# Allegro board trx_layout.brd
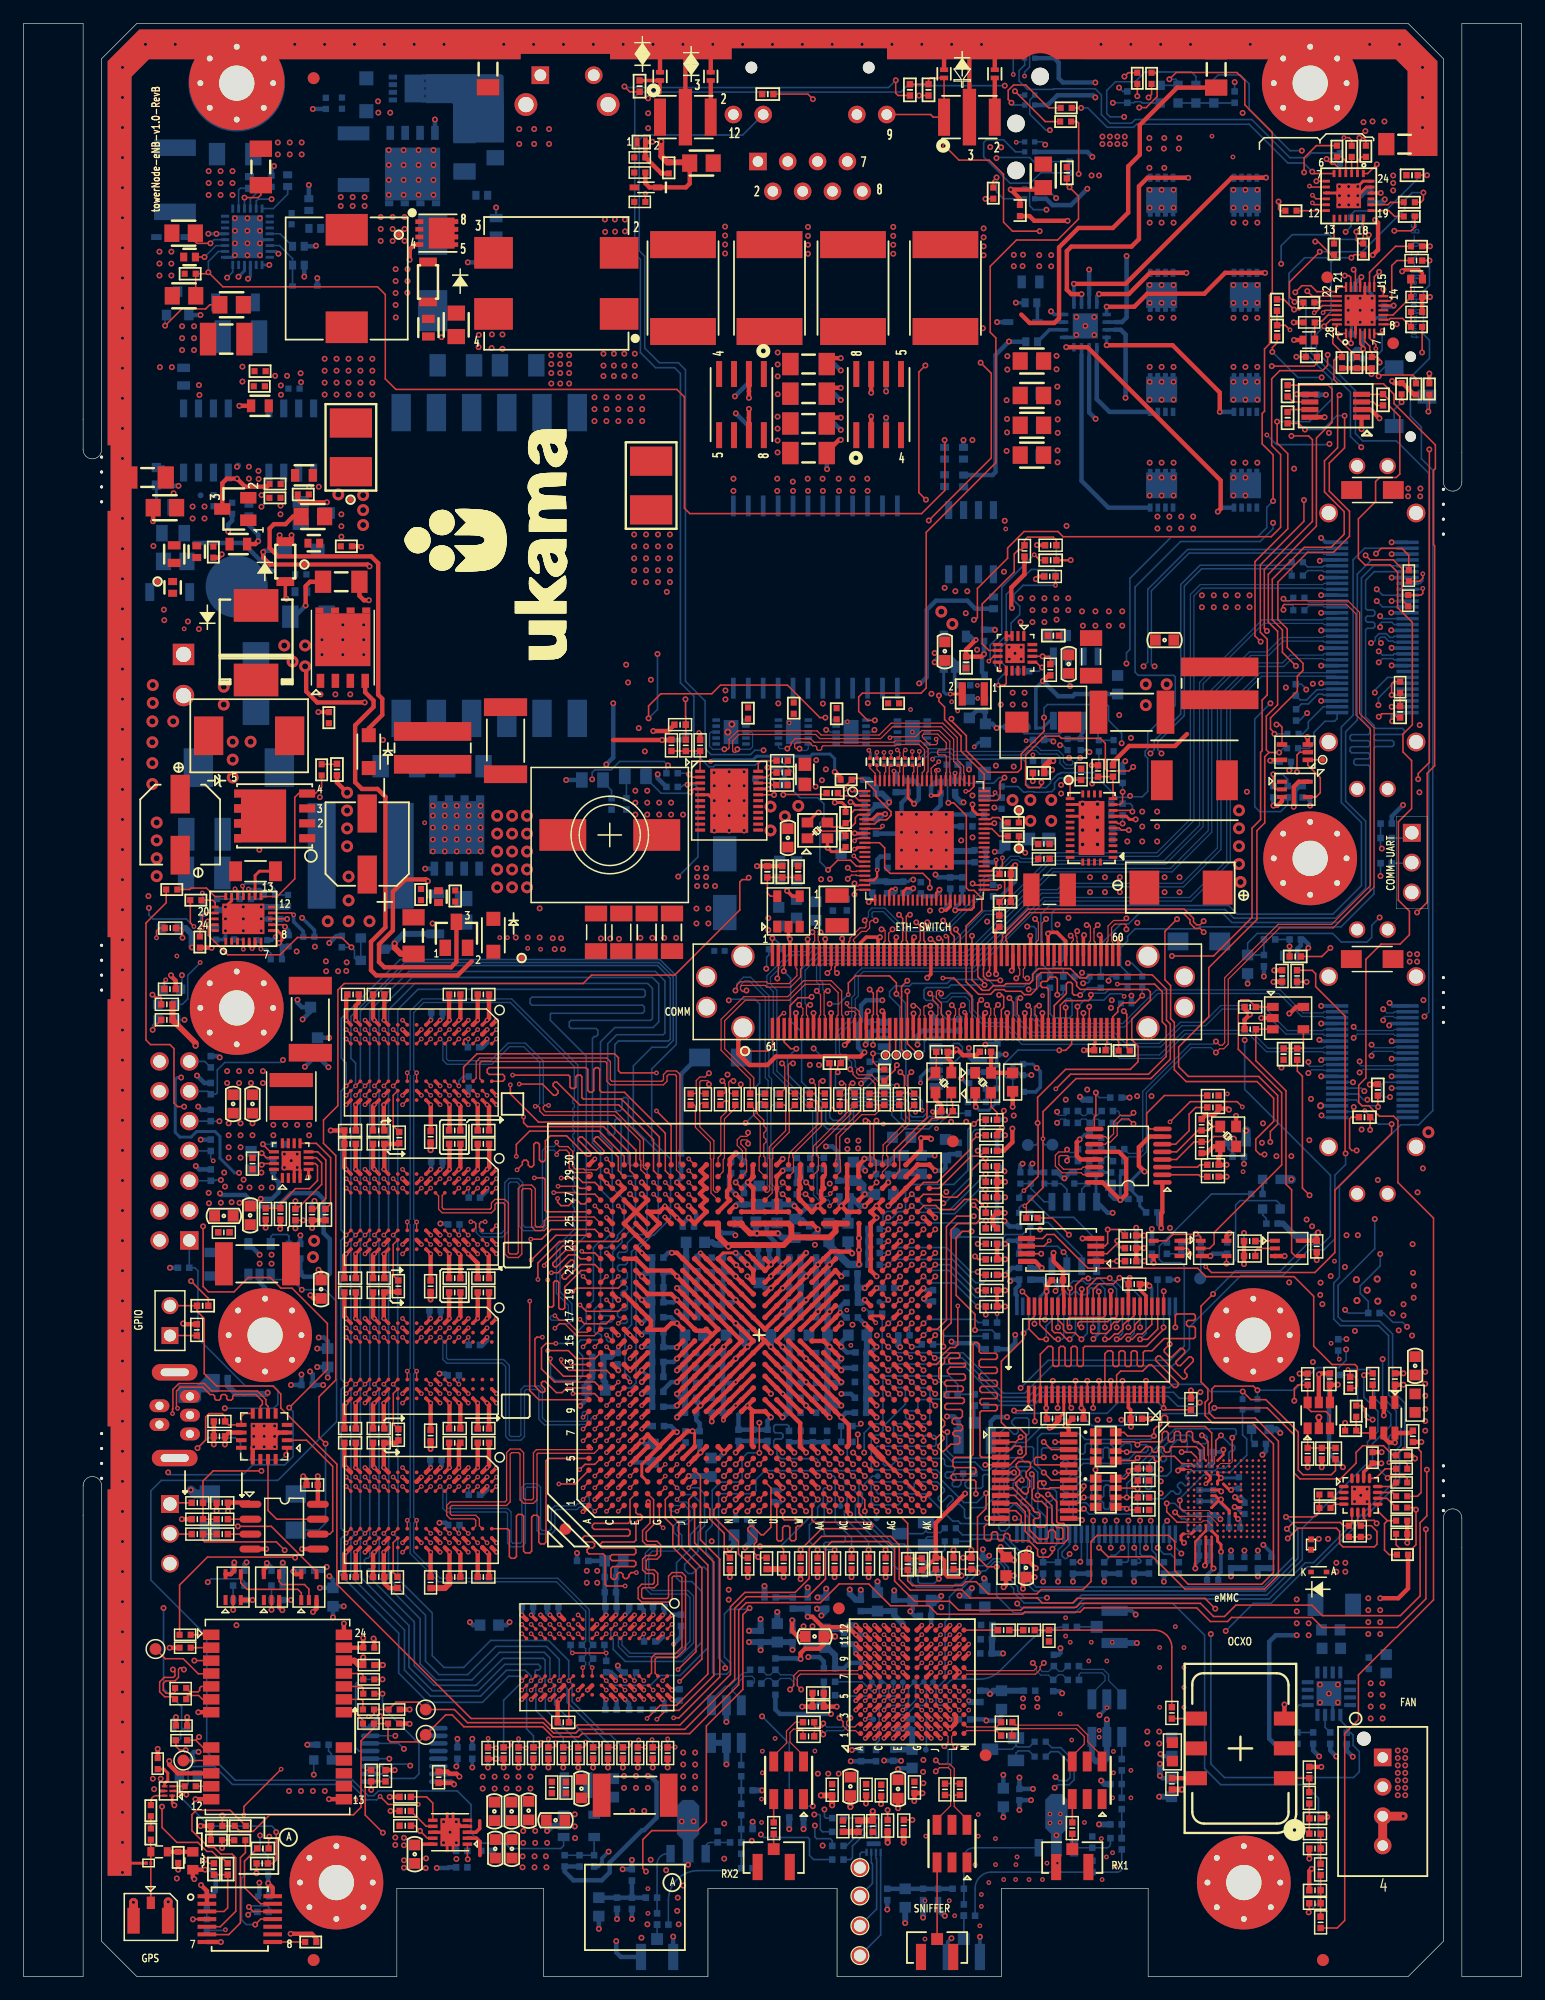
[diagram p0: board, top side]
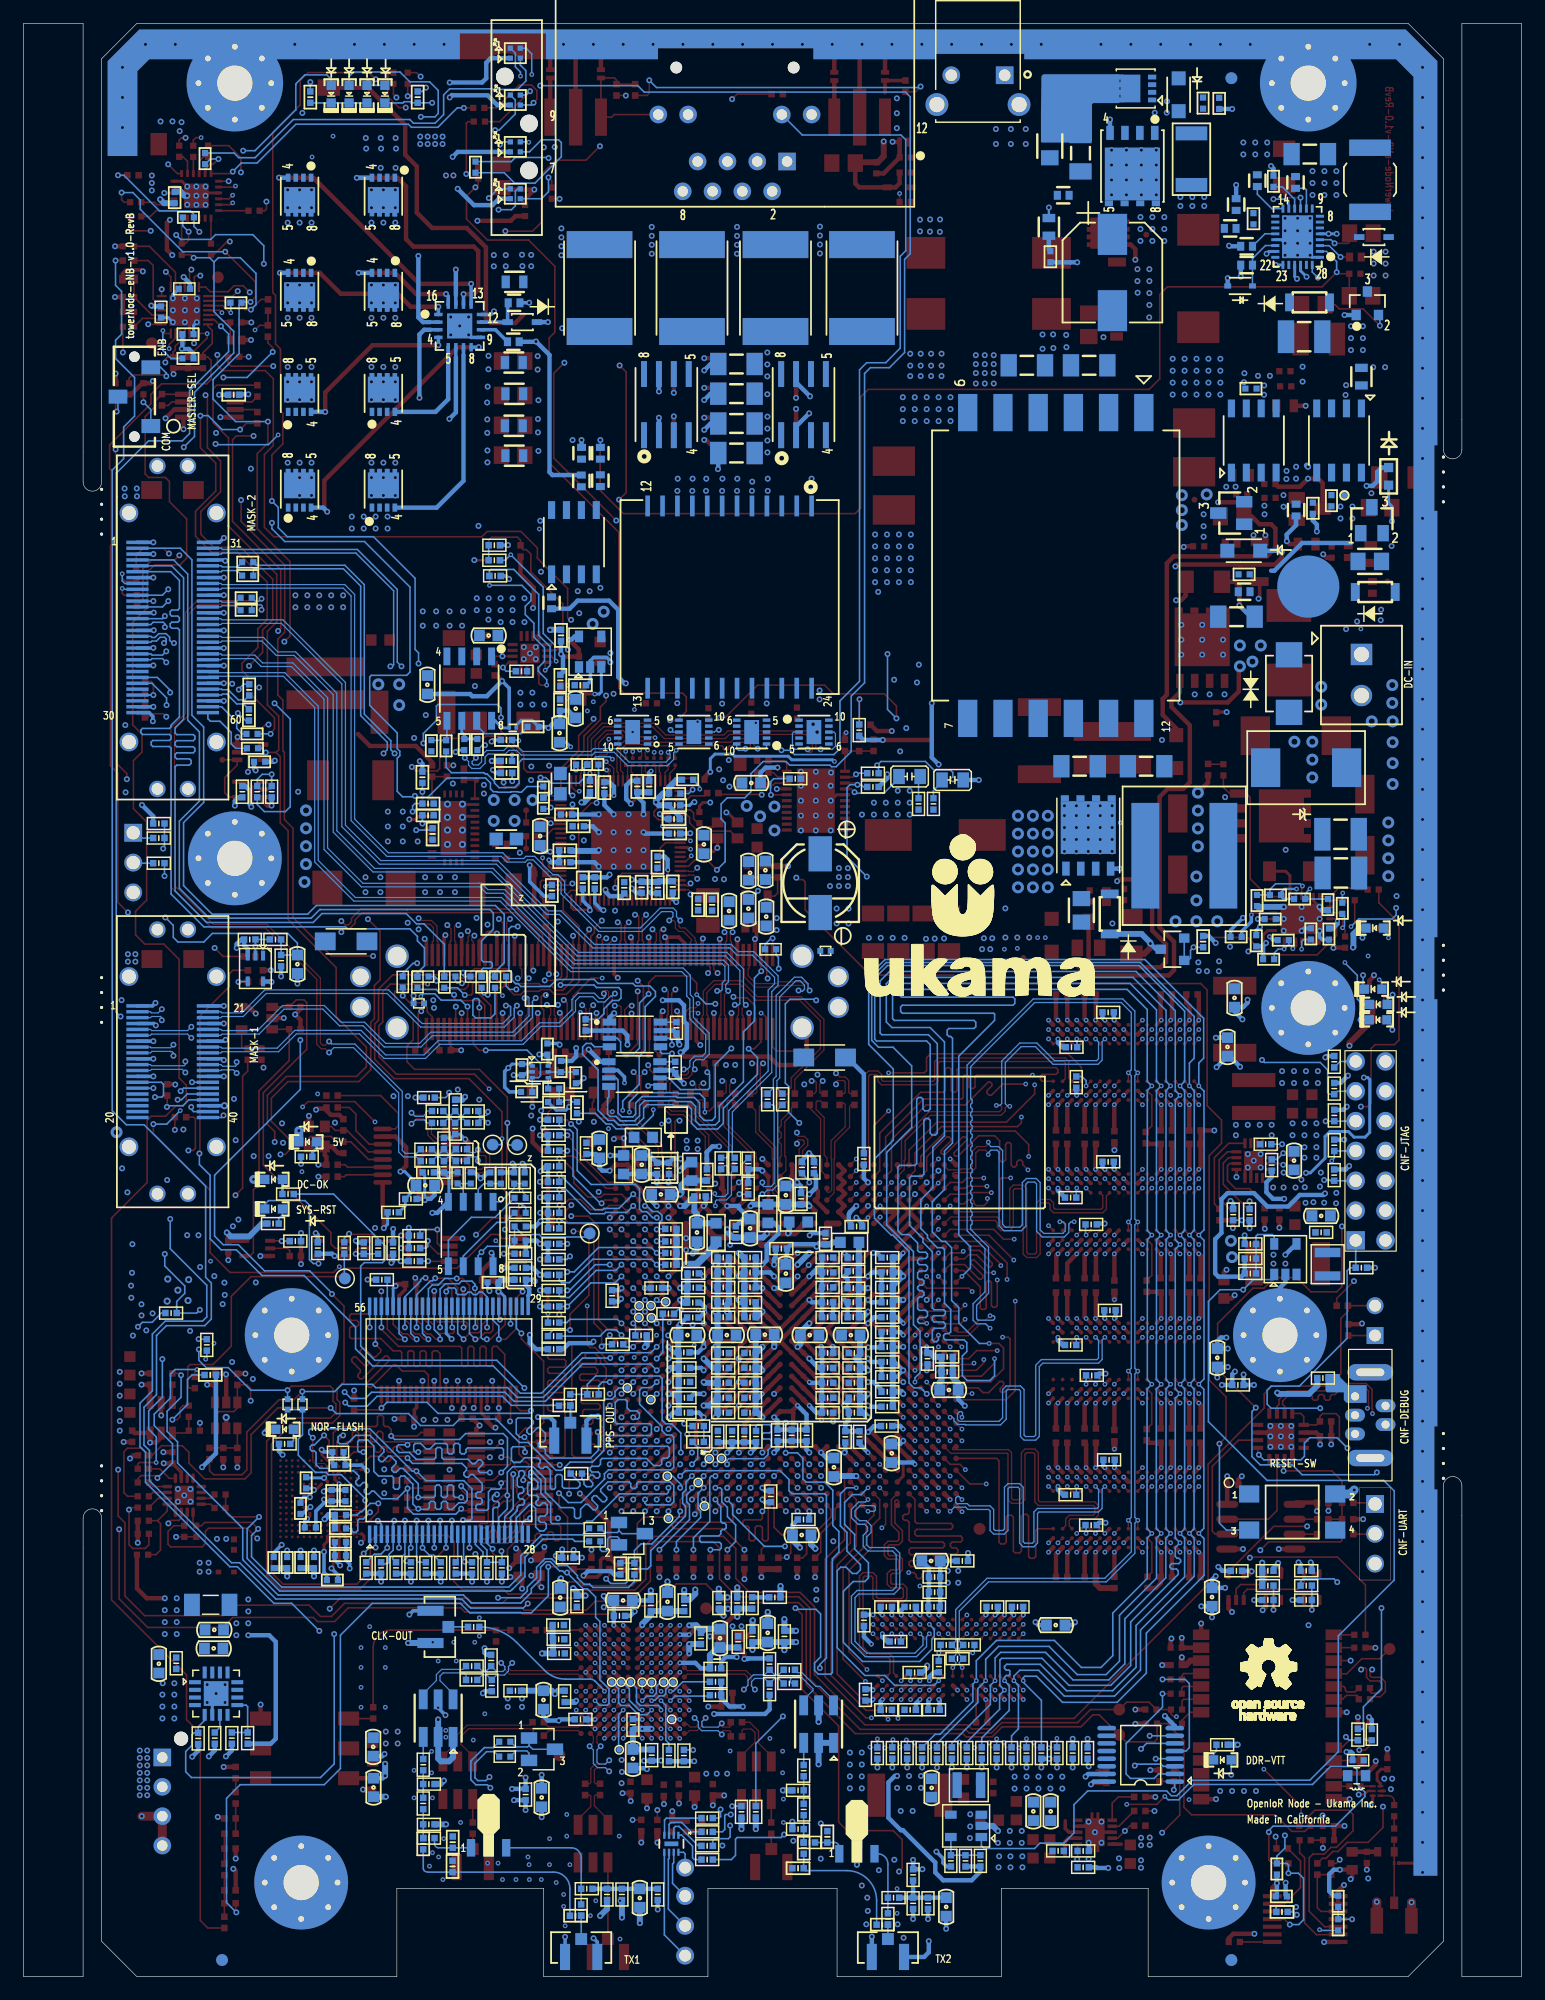
[diagram p1: board, bottom side, seen from below]

Outline 127.61 x 166.29 mm; copper layers: TOP, L2-GND1, L3-SIGNAL, L4-PWR1, L5-PWR2, L6-SIGNAL, L7-GND2, BOTTOM. Coordinates in mm from the lower left corner of the outline.
Outline path: 0,166.29 0,0 5.08,0 5.08,41.78 arc(5.87,42.57) 6.65,41.78 6.65,3 9.65,0 31.8,0 31.8,7.5 44.3,7.5 44.3,0 58.3,0 58.3,7.5 69.3,7.5 69.3,0 83.3,0 83.3,7.5 95.8,7.5 95.8,0 117.95,0 120.95,3 120.95,39.03 arc(121.74,39.82) 122.53,39.03 122.53,0 127.61,0 127.61,166.29 122.53,166.29 122.53,127.26 arc(121.74,126.47) 120.95,127.26 120.95,163.29 117.95,166.29 9.65,166.29 6.65,163.29 6.65,130.01 arc(5.87,129.22) 5.08,130.01 5.08,166.29 0,166.29

## Design rules (mm)
constraint set DEFAULT: min track width 0.137, pair gap 0.102
net group 7130_BOOT_CE5: nets 7130_BOOT_CE5 N42046315
net group 7130_USB: nets 7130_USB_DN0 7130_USB_DP0
net group -7130_QLM0_REFCLK: nets 7130_QLM0_REFCLKN 7130_QLM0_REFCLKP
net group -7130_QLM0_RX0: nets 7130_QLM0_RXN0 7130_QLM0_RXP0
net group -7130_QLM0_RX1: nets 7130_QLM0_RXN1 7130_QLM0_RXP1
net group -7130_QLM0_TX0: nets 7130_QLM0_TXN0 7130_QLM0_TXP0
net group -7130_QLM0_TX1: nets 7130_QLM0_TXN1 7130_QLM0_TXP1
net group -7130_QLM1_RX0: nets 7130_QLM1_RXN0 7130_QLM1_RXP0
net group -7130_QLM1_RX1: nets 7130_QLM1_RXN1 7130_QLM1_RXP1
net group -7130_QLM1_TX0: nets 7130_QLM1_TXN0 7130_QLM1_TXP0
net group -7130_QLM1_TX1: nets 7130_QLM1_TXN1 7130_QLM1_TXP1
net group -HDMI_CLK_D: nets HDMI_CLK_DN HDMI_CLK_DP
net group -HDMI_DATA0_D: nets HDMI_DATA0_DN HDMI_DATA0_DP
net group -HDMI_DATA1_D: nets HDMI_DATA1_DN HDMI_DATA1_DP
net group -HDMI_DATA2_D: nets HDMI_DATA2_DN HDMI_DATA2_DP
net group -PCIE0_CLK: nets PCIE0_CLKN PCIE0_CLKP
net group -PCIE0_RX: nets PCIE0_RXN PCIE0_RXP
net group -PCIE0_TX: nets PCIE0_TXN PCIE0_TXP
net group -PCIE2_CLK: nets PCIE2_CLKN PCIE2_CLKP
net group -PCIE2_RX: nets PCIE2_RXN PCIE2_RXP
net group -PCIE2_TX: nets PCIE2_TXN PCIE2_TXP
net group -PCIE_REFCLK: nets PCIE_REFCLKN PCIE_REFCLKP
net group -SATA_RX0: nets SATA_RXN0 SATA_RXP0
net group -SATA_RX1: nets SATA_RXN1 SATA_RXP1
net group -SATA_TX0: nets SATA_TXN0 SATA_TXP0
net group -SATA_TX1: nets SATA_TXN1 SATA_TXP1
net group -USB3_RX0_: nets USB3_RX0_N USB3_RX0_P
net group -USB3_TX0_: nets USB3_TX0_N USB3_TX0_P
net group -USB_D0: nets USB_DN0 USB_DP0
net group -USB_D1: nets USB_DN1 USB_DP1
net group -USB_D2: nets USB_DN2 USB_DP2
net group DEBUG_USBDPDM: nets DEBUG_USBDM DEBUG_USBDP
net group DIFFPAIR0: nets N17127662 N17127699
net group DIFFPAIR1: nets N28293840 N28293868
net group DIFFPAIR2: nets N28292228 N28292264
net group DIFFPAIR3: nets N28292242 N28292278
net group DIFFPAIR4: nets N28292234 N28292240
net group DIFFPAIR5: nets N21225912 N21225914
net group DIFFPAIR6: nets N42578999 N42579001
net group DP1: nets N17127277 N17127320
net group DP2: nets N43380700 N43380823
net group DP3: nets N43380720 N43380722
net group DP4: nets N43380724 N43380726
net group DP5: nets N43380728 N43380730
net group MASK_PCIE_RXP2: nets MASK_PCIE_RXN MASK_PCIE_RXP
net group MASK_PCIE_TXN1: nets MASK_PCIE_TXN MASK_PCIE_TXP
net group PA_ETH_D2: nets PA_ETH_D2N PA_ETH_D2P
net group PCIE_1: nets N38345795 N38345832
net group PCIE_2: nets N38345660 N38345697
net group PCIE_3: nets N38791044 N38791056
net group PCIE_4: nets N42694907 N42694909
net group RX_RF_1: nets N40392181 N40392244
net group RX_RF_2: nets N40391553 N40391568
net group RX_RF_3: nets N377425 N377631
net group RX_RF_4: nets N497620 N497678
net group RX_RF_5: nets N377823 N377835
net group RX_RF_6: nets N506018 N506026
net group SOC_ETH_MDI0: nets SOC_ETH_MDI0N SOC_ETH_MDI0P
net group SOC_ETH_MDI1: nets SOC_ETH_MDI1N SOC_ETH_MDI1P
net group SOC_ETH_MDI2: nets SOC_ETH_MDI2N SOC_ETH_MDI2P
net group SOC_ETH_MDI3: nets SOC_ETH_MDI3N SOC_ETH_MDI3P
net group TEMP_SENSE_1: nets UNNAMED_101_NPN_I19_B UNNAMED_101_NPN_I19_E
net group TX_RF_1: nets N377445 N377469
net group TX_RF_2: nets N538044 N538079
net group TX_RF_3: nets N377045 N377347
net group TX_RF_4: nets N541425 N541429
net group USB_D: nets 7130_USB_DN1 7130_USB_DP1
net group USB_J13: nets N43028949 N43028955
net group 7130_GPIO8: nets 7130_GPIO8 N42252550 SYS_RST_L
net group DDR3-(CB0-CB7): nets 7130_DDR3_CB0 7130_DDR3_CB1 7130_DDR3_CB2 7130_DDR3_CB3 7130_DDR3_CB4 7130_DDR3_CB5 7130_DDR3_CB6 7130_DDR3_CB7
net group DDR3-(DQ0-DQ7): nets 7130_DDR3_DQ0 7130_DDR3_DQ1 7130_DDR3_DQ2 7130_DDR3_DQ3 7130_DDR3_DQ4 7130_DDR3_DQ5 7130_DDR3_DQ6 7130_DDR3_DQ7
net group DDR3-(DQ8-DQ15): nets 7130_DDR3_DQ8 7130_DDR3_DQ9 7130_DDR3_DQ10 7130_DDR3_DQ11 7130_DDR3_DQ12 7130_DDR3_DQ13 7130_DDR3_DQ14 7130_DDR3_DQ15
net group DDR3-(DQ16-DQ23): nets 7130_DDR3_DQ16 7130_DDR3_DQ17 7130_DDR3_DQ18 7130_DDR3_DQ19 7130_DDR3_DQ20 7130_DDR3_DQ21 7130_DDR3_DQ22 7130_DDR3_DQ23
net group DDR3-(DQ24-DQ31): nets 7130_DDR3_DQ24 7130_DDR3_DQ25 7130_DDR3_DQ26 7130_DDR3_DQ27 7130_DDR3_DQ28 7130_DDR3_DQ29 7130_DDR3_DQ30 7130_DDR3_DQ31
net group DDR3-(DQ32-DQ39): nets 7130_DDR3_DQ32 7130_DDR3_DQ33 7130_DDR3_DQ34 7130_DDR3_DQ35 7130_DDR3_DQ36 7130_DDR3_DQ37 7130_DDR3_DQ38 7130_DDR3_DQ39
net group DDR3-(DQ40-DQ47): nets 7130_DDR3_DQ40 7130_DDR3_DQ41 7130_DDR3_DQ42 7130_DDR3_DQ43 7130_DDR3_DQ44 7130_DDR3_DQ45 7130_DDR3_DQ46 7130_DDR3_DQ47
net group DDR3-(DQ48-DQ55): nets 7130_DDR3_DQ48 7130_DDR3_DQ49 7130_DDR3_DQ50 7130_DDR3_DQ51 7130_DDR3_DQ52 7130_DDR3_DQ53 7130_DDR3_DQ54 7130_DDR3_DQ55
net group DDR3-(DQ56-DQ63): nets 7130_DDR3_DQ56 7130_DDR3_DQ57 7130_DDR3_DQ58 7130_DDR3_DQ59 7130_DDR3_DQ60 7130_DDR3_DQ61 7130_DDR3_DQ62 7130_DDR3_DQ63
net group DDR DIFF: nets 7130_DDR3_CBS0N 7130_DDR3_CBS0P 7130_DDR3_CLK0N 7130_DDR3_CLK0P 7130_DDR3_DQS0N 7130_DDR3_DQS0P 7130_DDR3_DQS1N 7130_DDR3_DQS1P 7130_DDR3_DQS2N 7130_DDR3_DQS2P 7130_DDR3_DQS3N 7130_DDR3_DQS3P 7130_DDR3_DQS4N 7130_DDR3_DQS4P 7130_DDR3_DQS5N 7130_DDR3_DQS5P 7130_DDR3_DQS6N 7130_DDR3_DQS6P 7130_DDR3_DQS7N 7130_DDR3_DQS7P
net group DEFAULT: nets 1PPS_OUT 1V35_PG 3V3_PG 5V_PG 7130_BOOT_AD8 7130_BOOT_AD13 7130_BOOT_ALE 7130_BOOT_CE0 7130_BOOT_CE1 7130_BOOT_OE 7130_BOOT_WAIT 7130_BOOT_WE 7130_CE 7130_DSP_JTAG_TCK 7130_DSP_JTAG_TDI 7130_DSP_JTAG_TDO 7130_DSP_JTAG_TMS 7130_DSP_JTAG_TRST 7130_EJTAG_TDO 7130_EJTAG_TRST_L 7130_GPIO0 7130_GPIO10_3V3 7130_GPIO13_3V3 7130_GPIO14_3V3 7130_HOT 7130_I2C0_EEPROM_WP 7130_I2C1_EEPROM_WP 7130_JTAG_TCK 7130_JTAG_TDI 7130_JTAG_TMS 7130_LATCH_A28 7130_LATCH_A29 7130_LATCH_A30 7130_LATCH_A31 7130_MDC1 7130_MDIO1 7130_MISO 7130_MOSI 7130_MSC_CLKOUT_EN 7130_PCIE_BOOT 7130_PCIE_MODE 7130_PCIE_RST 7130_PHY_PWM 7130_PLL_MUL0 7130_PLL_MUL1 7130_PLL_MUL2 7130_PLL_MUL3 7130_PLL_MUL4 7130_PLL_REFCLK50 7130_RESET_SW_L 7130_RF_RESET 7130_RF_TXNRX 7130_RX0 7130_RX1 7130_SCL0 7130_SCL1 7130_SCLK 7130_SDA0 7130_SDA1 7130_SYS_PLL_MUL0 7130_SYS_PLL_MUL1 7130_SYS_PLL_MUL2 7130_SYS_PLL_MUL3 7130_SYS_PLL_MUL4 7130_TX0 7130_TX1 7130_TXCO_PWM 7130_VDD_PG AD936X_1V3_PG AD936X_CLKOUT AD936X_RESET_L AD936X_SYNCIN ALLPOWER_PG BUTTON_RESET_IN BUTTON_RESET_OUT CALL_LED CONFIG_RST_SW CRITICAL_TEMP_ALERT DC_OK ETH_SW_LED0 ETH_SYNCE FPGA_CFG_INIT_B_R GPIO11 GPS_MODULE_RESET GPS_TIMEPULSE HDMI_SMB_SOC_CLK HDMI_SMB_SOC_DAT LNA_RF_OUT MASK_SPI_CLK MASK_SPI_CS MASK_SPI_MISO MASK_SPI_MOSI MASK_UART_RX1 MASK_UART_TX1 MB_3V3_GPIO5 MB_3V3_GPIO6 MB_3V3_GPIO7 MB_3V3_GPIO8 MB_POWER_OK MMC_ISOLATE# MODULE_SAFEBOOT_N MODULE_UART_RX MODULE_UART_TX MPG N377587 N377739 N377759 N377819 N378105 N378375 N378383 N378391 N378587 N378731 N378743 N379365 N379519 N379621 N436822 N440605 N440917 N441229 N450143 N450443 N450447 N635710 N685064 N685410 N16912256 N16949910 N16950256 N16950409 N16950424 N16950483 N16950542 N16958600 N17127103 N17247286 N17247308 N17264878 N17264907 N17308586 N17347925 N17347927 N17352153 N17383137 N17412446 N17420989 N17491181 N17613979 N18012236 N18015217 N18663045 N18984920 N19428436 N19433326 N19802595 N19816570 N19921421 N20950733 N20950750 N20950752 N20950802 N20950826 N21294021 N21294187 N21294710 N21414742 N21414746 N21414756 N21414762 N21445296 N21445300 N22620877 N22623748 N22624855 N22625970 N22627093 N22643259 N22645297 N22648611 N22651614 N22654933 N22658266 N22662338 N22664619 N22669063 N22670170 N22844512 N26040487 N26040723 N27121622 N27122589 N27122595 N27144602 N27144606 N27144621 N27144635 N27144645 N27144685 N27144921 N27144925 N27144937 N27144954 N27144964 N27144986 N27169203 N27169238 N27169273 N27169308 N27171135 N27171149 N27171650 N27171802 N27174773 N27178741 N27215911 N27215928 N27216005 N27216243 N27216779 N27430859 N27682040 N27872645 N28291570 N28291594 N28292560 N28294373 N28294754 N28294786 N28294818 N28294850 N28301963 N28302006 N28359985 N28499038 N28500759 N37586365 N37586373 N37586583 N37586587 N37586775 N37637914 N37650909 N37651458 N37651465 N37686439 N37686485 N38213058 N38717127 N38737759 N38808629 N38819302 N39820283 N40601616 N40936405 N40936407 N40936492 N41359438 N42252590 N42378579 N42378600 N42378604 N42378613 N42378655 N42378657 N42378741 N42378749 N42378768 N42378865 N42383145 N42438614 N42450862 N42450876 N42451043 N42451093 N42452847 N42452899 N42578486 N42578540 N42578542 N42578615 N42578696 N42578710 N42578712 N42578726 N42578764 N42578893 N42579047 N42579075 N42579110 N42579218 N42624232 N42624335 N42624343 N42624475 N42624491 N42679388 N42679435 N42693172 N42710595 N42710598 N42795245 N373888061 N375864650 N376509451 N377864440 NC1 NC2 PCU_RXD PCU_TXD PG POWER_EN POWER_RECYCLE_H PUSH_RESET RF_CLK_IN RF_GPO0 RF_GPO1 RF_GPO2 RF_GPO3 RF_RESET_L RSVD1 RSVD2 RSVD3 RSVD4 RSVD5 RSVD6 RSVD7 RSVD8 RSVD9 RSVD10 RSVD11 RSVD12 RSVD13 RUN_LED RX SATA_LED_N SOC_HDMI_DDSP_HPD SOC_I2C2_SCL_1P8 SOC_I2C2_SDA_1P8 SOC_IO_2_1P8 SOC_IO_3_1P8 SOC_IO_5_1P8 SOC_IO_6_1P8 SOC_PLTRST_N_3V3 SOC_UART1_CTS SOC_UART1_RTS SOC_UART1_RX SOC_UART1_TX SPDT_CNTRL_MASK_GPS_UART SYS_5V_PG SYS_DC_OK TX UNNAMED_101_NPN_I2_B UNNAMED_101_NPN_I2_E USB_RXD USB_TXD USB_XI USB_XO VHDMI_EN_N
net group PWR: nets 7130_CORE_PLL_VDD33 7130_DDR3_VREF 7130_DDR3PLL 7130_PHY_PLL_VDD33 BG12 BG36 BG45 BG78 CHASIS_GND N395776 N395816 N397214 N397226 N399906 N400318 N436789 N470883 N1148675 N1148683 N1148871 N1148879 N16853335 N17011792 N17013104 N17041994 N17127140 N17736851 N18230147 N19527484 N19916023 N41087432 N41087635 N42788664 N427909890 TG12 TG36 TG45 TG78 V3RD VDD_GPO VDDA_1V3_RX_LO VDDD_1V3_DIG
net group RF_SIGNALS: nets N41074281 N41087231 N41087331 N41087333 N41087526 N41087528 N41087548 N41087557 N41094150 RX1A_ADI RX1C RX2A_ADI TX1A TX2A

## Placement (name value [footprint] x y rotation side)
C1  1000PF  [CC1206]  39.57 162.4 270 top
C2  1000PF  [CC1206]  101.6 162.38 90 top
C2B1  10UF  [SMC1206]  116.69 126.57 270 top
C3  0.47UF  [EMIFIL_101X43W474MV4E]  56.38 158.32 0 top
C4  0.47UF  [EMIFIL_101X43W474MV4E]  80.58 158.32 0 top
C5  1000PF  [CC1206]  117.64 156.02 180 top
C6  0.1uF  [C0402]  52.5 154.88 180 top
C7  1uF  [CC1206]  20.22 154.08 270 top
C8  0.1uF  [CC0402]  54.97 154 270 top
C9  0.1uF  [CC0402]  84.89 150.37 270 top
C10  100pF/DNP  [CC0402]  14.2 144.98 0 top
C11  0.047uF  [CC0603]  34.49 140.39 90 top
C12  2.2uF  [CC1210]  17.27 139.42 180 top
C13  0.01uF  [CC0805]  85.9 137.55 180 top
C14  100pF  [CC0402]  20.16 136.69 0 top
C15  0.01uF  [CC0805]  85.9 134.62 180 top
C16  0.01uF  [CC0805]  85.9 132.08 180 top
C17  2.2nF  [CC1812]  27.89 130.2 270 top
C18  0.01uF  [CC0805]  85.9 129.54 180 top
C19  1000PF  [CC1206]  10.57 127.64 0 top
C20  2.2nF  [CC1812]  53.47 126.95 270 top
C21  0.1uF  [CC0402]  23.83 126.19 0 top
C22  6.8nF  [CC0603]  18.3 121.96 0 top
C23  0.1uF  [CC0402]  27.5 121.78 180 top
C24  330pF  [CC0603]  12.84 121.11 90 top
C25  0.1uF  [EIA-0402]  87.73 114.17 0 top
C26  10uF  [EIA-0603]  97.21 113.79 180 top
C27  DNP  [EIA-0402]  87.5 120.59 0 top
C28  100uF/6.3V  [EIA-1206]  90.94 112.36 90 top
C29  22uF/10V  [EIA-0603]  89.04 111.74 90 top
C30  10nF  [EIA-0402]  87.43 119.2 0 top
C31  0.1uF  [CC0402]  65.61 108 270 top
C32  0.1uF  [CC0402]  74.12 108.41 0 top
C33  0.1uF  [CC0402]  61.72 107.57 270 top
C34  0.1uF  [CC0402]  69.27 107.52 270 top
C35  1000pF  [EIA-0402]  56.42 104.83 90 top
C37  1uF  [EIA-0402]  61.87 101.99 180 bottom
C38  100uF  [CAP_5P2_6P8X6P8_9P00]  13.35 98.08 270 top
C40  0.47uF  [EIA-0402]  86.92 95.16 180 top
C41  0.1uF  [EIA-0402]  86.92 96.43 0 top
C43  10uF  [EIA-0603]  65.12 96.95 270 top
C48  47uF/25V  [CC1210]  87.41 92.53 0 top
C49  680uF  [CC7343]  98.6 92.71 180 top
C50  820pF  [CC0402]  33.86 92.13 90 top
C51  100pF  [CC0402]  36.78 92 90 top
C52  100uF/6.3V  [EIA-1206]  48.77 88.91 270 top
C53  100uF/6.3V  [EIA-1206]  50.93 88.91 270 top
C54  100uF/6.3V  [EIA-1206]  53.08 88.91 270 top
C55  100uF/6.3V  [EIA-1206]  55.24 88.91 270 top
C56  10UF  [SMC1206]  116.67 86.63 270 top
C57  0.1uF  [EIA-0402]  107.22 85.19 90 top
C58  0.1uF  [EIA-0402]  28.07 83.62 180 top
C59  0.1uF  [EIA-0402]  30.26 83.62 0 top
C60  0.1uF  [EIA-0402]  36.74 83.62 0 top
C61  0.1uF  [EIA-0402]  39.17 83.62 0 top
C62  22pF  [EIA-0402]  78.23 78.74 0 top
C63  0.1uF  [EIA-0402]  81.94 78.74 180 top
C64  0.1uF  [EIA-0402]  56.83 74.69 270 top
C65  0.1uF  [EIA-0402]  58.1 74.69 270 top
C66  0.1uF  [EIA-0402]  59.37 74.69 90 top
C67  0.1uF  [EIA-0402]  60.64 74.69 90 top
C68  0.1uF  [EIA-0402]  61.91 74.69 90 top
C69  0.1uF  [EIA-0402]  63.18 74.69 90 top
C70  0.1uF  [EIA-0402]  64.45 74.69 270 top
C71  0.1uF  [EIA-0402]  65.72 74.69 270 top
C72  0.1uF  [EIA-0402]  66.99 74.69 90 top
C73  0.1uF  [EIA-0402]  68.26 74.69 90 top
C74  0.1uF  [EIA-0402]  72.07 74.69 90 top
C75  0.1uF  [EIA-0402]  73.34 74.69 90 top
C76  10uF  [EIA-0603]  17.86 74.3 270 top
C77  22uF/10V  [EIA-0603]  19.51 74.3 270 top
C79  22pF  [EIA-0402]  78.67 73.68 180 top
C80  20pF  [EIA-0402]  100.36 72.52 90 top
C81  0.1uF  [EIA-0402]  27.82 72.04 180 top
C82  0.1uF  [EIA-0402]  30.26 72.04 0 top
C83  0.1uF  [EIA-0402]  36.74 72.04 180 top
C84  0.1uF  [EIA-0402]  39.17 72.04 0 top
C85  0.1uF  [EIA-0402]  34.68 71.5 270 top
C86  0.1uF  [EIA-0402]  94.6 66.21 0 bottom
C87  0.1uF  [EIA-0402]  27.82 70.89 180 top
C88  0.1uF  [EIA-0402]  30.26 70.89 0 top
C89  0.1uF  [EIA-0402]  36.74 70.89 0 top
C90  0.1uF  [EIA-0402]  39.17 70.89 0 top
C91  20pF  [EIA-0402]  100.36 70.59 270 top
C92  0.1uF  [EIA-0402]  19.51 69.22 90 top
C93  1000pF  [EIA-0402]  93.13 68.46 0 bottom
C94  10nF  [EIA-0402]  25.73 64.87 90 top
C95  10uF  [EIA-0603]  19.31 64.81 90 top
C96  10uF  [EIA-0603]  17.07 64.76 0 top
C97  0.1uF  [EIA-0402]  17.07 63.36 0 top
C98  0.1uF  [EIA-0402]  110.16 62.16 270 top
C99  0.1uF  [EIA-0402]  27.82 59.46 180 top
C100  0.1uF  [EIA-0402]  30.26 59.46 0 top
C101  0.1uF  [EIA-0402]  36.74 59.46 180 top
C102  0.1uF  [EIA-0402]  39.17 59.46 0 top
C103  0.1uF  [EIA-0402]  88.07 59.28 180 top
C104  0.1uF  [EIA-0402]  94.62 58.95 0 top
C105  0.1uF  [EIA-0402]  34.68 58.78 270 top
C106  10uF  [EIA-0603]  25.35 58.52 270 top
C107  0.1uF  [EIA-0402]  27.82 58.24 180 top
C108  0.1uF  [EIA-0402]  30.26 58.24 0 top
C109  0.1uF  [EIA-0402]  36.74 58.24 0 top
C110  0.1uF  [EIA-0402]  39.17 58.24 0 top
C111  10uF  [EIA-0603]  118.54 51.99 90 top
C112  0.1uF  [EIA-0402]  116.83 50.87 90 top
C113  0.1uF  [EIA-0402]  87.66 47.5 180 top
C114  0.1uF  [EIA-0402]  89.82 47.5 0 top
C115  0.1uF  [EIA-0402]  94.8 47.5 0 top
C116  0.1uF  [EIA-0402]  16.69 47.26 0 top
C117  0.1uF  [EIA-0402]  27.82 46.66 180 top
C118  0.1uF  [EIA-0402]  30.26 46.66 0 top
C119  0.1uF  [EIA-0402]  36.74 46.66 180 top
C120  0.1uF  [EIA-0402]  39.17 46.66 0 top
C121  0.1uF  [EIA-0402]  34.68 46.05 270 top
C122  0.1uF  [EIA-0402]  118.35 46 270 top
C123  0.1uF  [EIA-0402]  16.69 45.99 0 top
C124  0.1uF  [EIA-0402]  27.82 45.44 180 top
C125  0.1uF  [EIA-0402]  30.26 45.44 0 top
C126  0.1uF  [EIA-0402]  36.74 45.44 0 top
C127  0.1uF  [EIA-0402]  39.17 45.44 0 top
C128  0.1uF  [C0402]  114.91 44.17 90 top
C129  0.1uF  [EIA-0402]  24.59 41.86 0 top
C130  0.1uF  [EIA-0402]  16.93 40.34 0 top
C131  1000PF  [C0402]  112.9 37.91 270 top
C132  1000PF  [C0402]  113.91 37.91 270 top
C133  DNP  [EIA-0402]  79.23 35.17 90 top
C134  10uF  [EIA-0603]  85.39 34.8 270 top
C135  0.1uF  [EIA-0402]  27.82 34.01 180 top
C136  0.1uF  [EIA-0402]  30.26 34.01 0 top
C137  0.1uF  [EIA-0402]  36.74 34.01 180 top
C138  0.1uF  [EIA-0402]  39.17 34.01 0 top
C139  0.1uF  [EIA-0402]  34.68 33.56 270 top
C140  1000pF  [EIA-0402]  83.5 29.5 180 top
C141  10uF  [EIA-0603]  67.39 28.96 180 top
C142  0.1uF  [C0402]  29.42 28 180 top
C143  0.1uF  [C0402]  29.42 26.52 180 top
C144  1000pF  [EIA-0402]  67.69 24.15 0 top
C145  1000pF  [EIA-0402]  67.69 22.98 0 top
C146  33pF  [EIA-0402]  83.76 21.66 180 top
C147  33pF  [EIA-0402]  66.88 21.65 0 top
C148  0.1uF  [C0402]  13.46 21.36 0 top
C149  33pF  [EIA-0402]  83.76 20.51 180 top
C150  33pF  [EIA-0402]  66.88 20.44 0 top
C151  0.1uF  [C0402]  11.43 18.13 270 top
C152  1uF  [EIA-0402]  109.53 17.36 90 top
C153  0.1uF  [EIA-0402]  35.36 16.97 90 top
C154  0.1uF  [EIA-0402]  97.82 16.4 270 top
C155  18pF  [C0402]  14.2 16.2 0 top
C156  10uF  [EIA-0603]  70.44 16.19 270 top
C157  0.1uF  [EIA-0402]  45 16.1 270 top
C158  0.1uF  [EIA-0402]  46.21 16.08 270 top
C159  10uF  [EIA-0603]  47.53 16 270 top
C160  10uF  [EIA-0603]  74.5 15.97 270 top
C161  33pF  [EIA-0402]  78.5 15.93 90 top
C162  33pF  [EIA-0402]  79.77 15.93 90 top
C163  0.1uF  [EIA-0402]  71.78 15.9 270 top
C164  0.1uF  [EIA-0402]  73.07 15.85 270 top
C165  0.1uF  [EIA-0402]  32.52 15.29 180 top
C166  10uF  [EIA-0603]  43.03 14.12 270 top
C167  10uF  [EIA-0603]  40.11 14.06 270 top
C168  10uF  [EIA-0603]  41.59 14.06 270 top
C169  1uF  [EIA-0402]  110.02 13.46 0 top
C170  10uF  [EIA-0603]  45.33 13.31 180 top
C171  1000pF  [EIA-0402]  72.34 12.8 270 top
C172  1uF  [EIA-0402]  69.8 12.8 90 top
C173  33pF  [EIA-0402]  63.91 12.64 90 top
C174  33pF  [EIA-0402]  89.34 12.64 90 top
C175  47pF  [C0402]  10.85 12.13 90 top
C176  0.1uF  [EIA-0402]  110.02 10.89 180 top
C177  10uF  [EIA-0603]  40.19 10.87 90 top
C178  10uF  [EIA-0603]  41.61 10.87 90 top
C179  10uF  [EIA-0603]  33.33 10.41 270 top
C180  22pF  [C0402]  13.18 10.14 270 top
C181  0.1uF  [EIA-0402]  109.7 134.68 0 bottom
C182  0.1uF  [EIA-0402]  110.02 7.34 180 top
C183  0.1uF  [CC0402]  25.76 159.49 270 bottom
C184  0.22uF  [CC0805]  40.18 155.85 270 bottom
C185  33nF  [CC1206]  37.57 155.24 90 bottom
C186  10uF  [CC1206]  18.03 155.17 180 bottom
C187  OPT  [CC0402]  22.83 149.67 90 bottom
C188  10nF  [CC0402]  40.13 146.43 270 bottom
C189  22uF  [CAPAE830X1080N]  34.85 145.08 270 bottom
C190  0.047uF  [CC0603]  85.78 144.29 0 bottom
C191  2.2uF  [CC1210]  18.52 139.62 180 bottom
C192  OPT  [CC1206]  42.14 137.19 180 bottom
C193  0.1uF  [CC0402]  115.89 141.73 270 bottom
C194  0.1uF  [CC0402]  23.05 135.21 0 bottom
C195  0.1uF  [CC0402]  113.91 143.7 0 bottom
C196  0.1uF  [CC0402]  113.6 139.84 180 bottom
C197  100pF  [CC0402]  17.78 125.01 90 bottom
C198  100pF  [CC0402]  23.63 119.39 0 bottom
C199  OPT  [CC1206]  24.28 115.78 0 bottom
C200  10uF  [EIA-0603]  87.98 114.18 0 bottom
C201  1.8nF  [EIA-0402]  87.5 121.87 180 bottom
C202  0.1uF  [EIA-0402]  85.19 111.14 180 bottom